# Altium PCB 2019.07.17.master.PcbDoc (part 1 of 6) (continued)
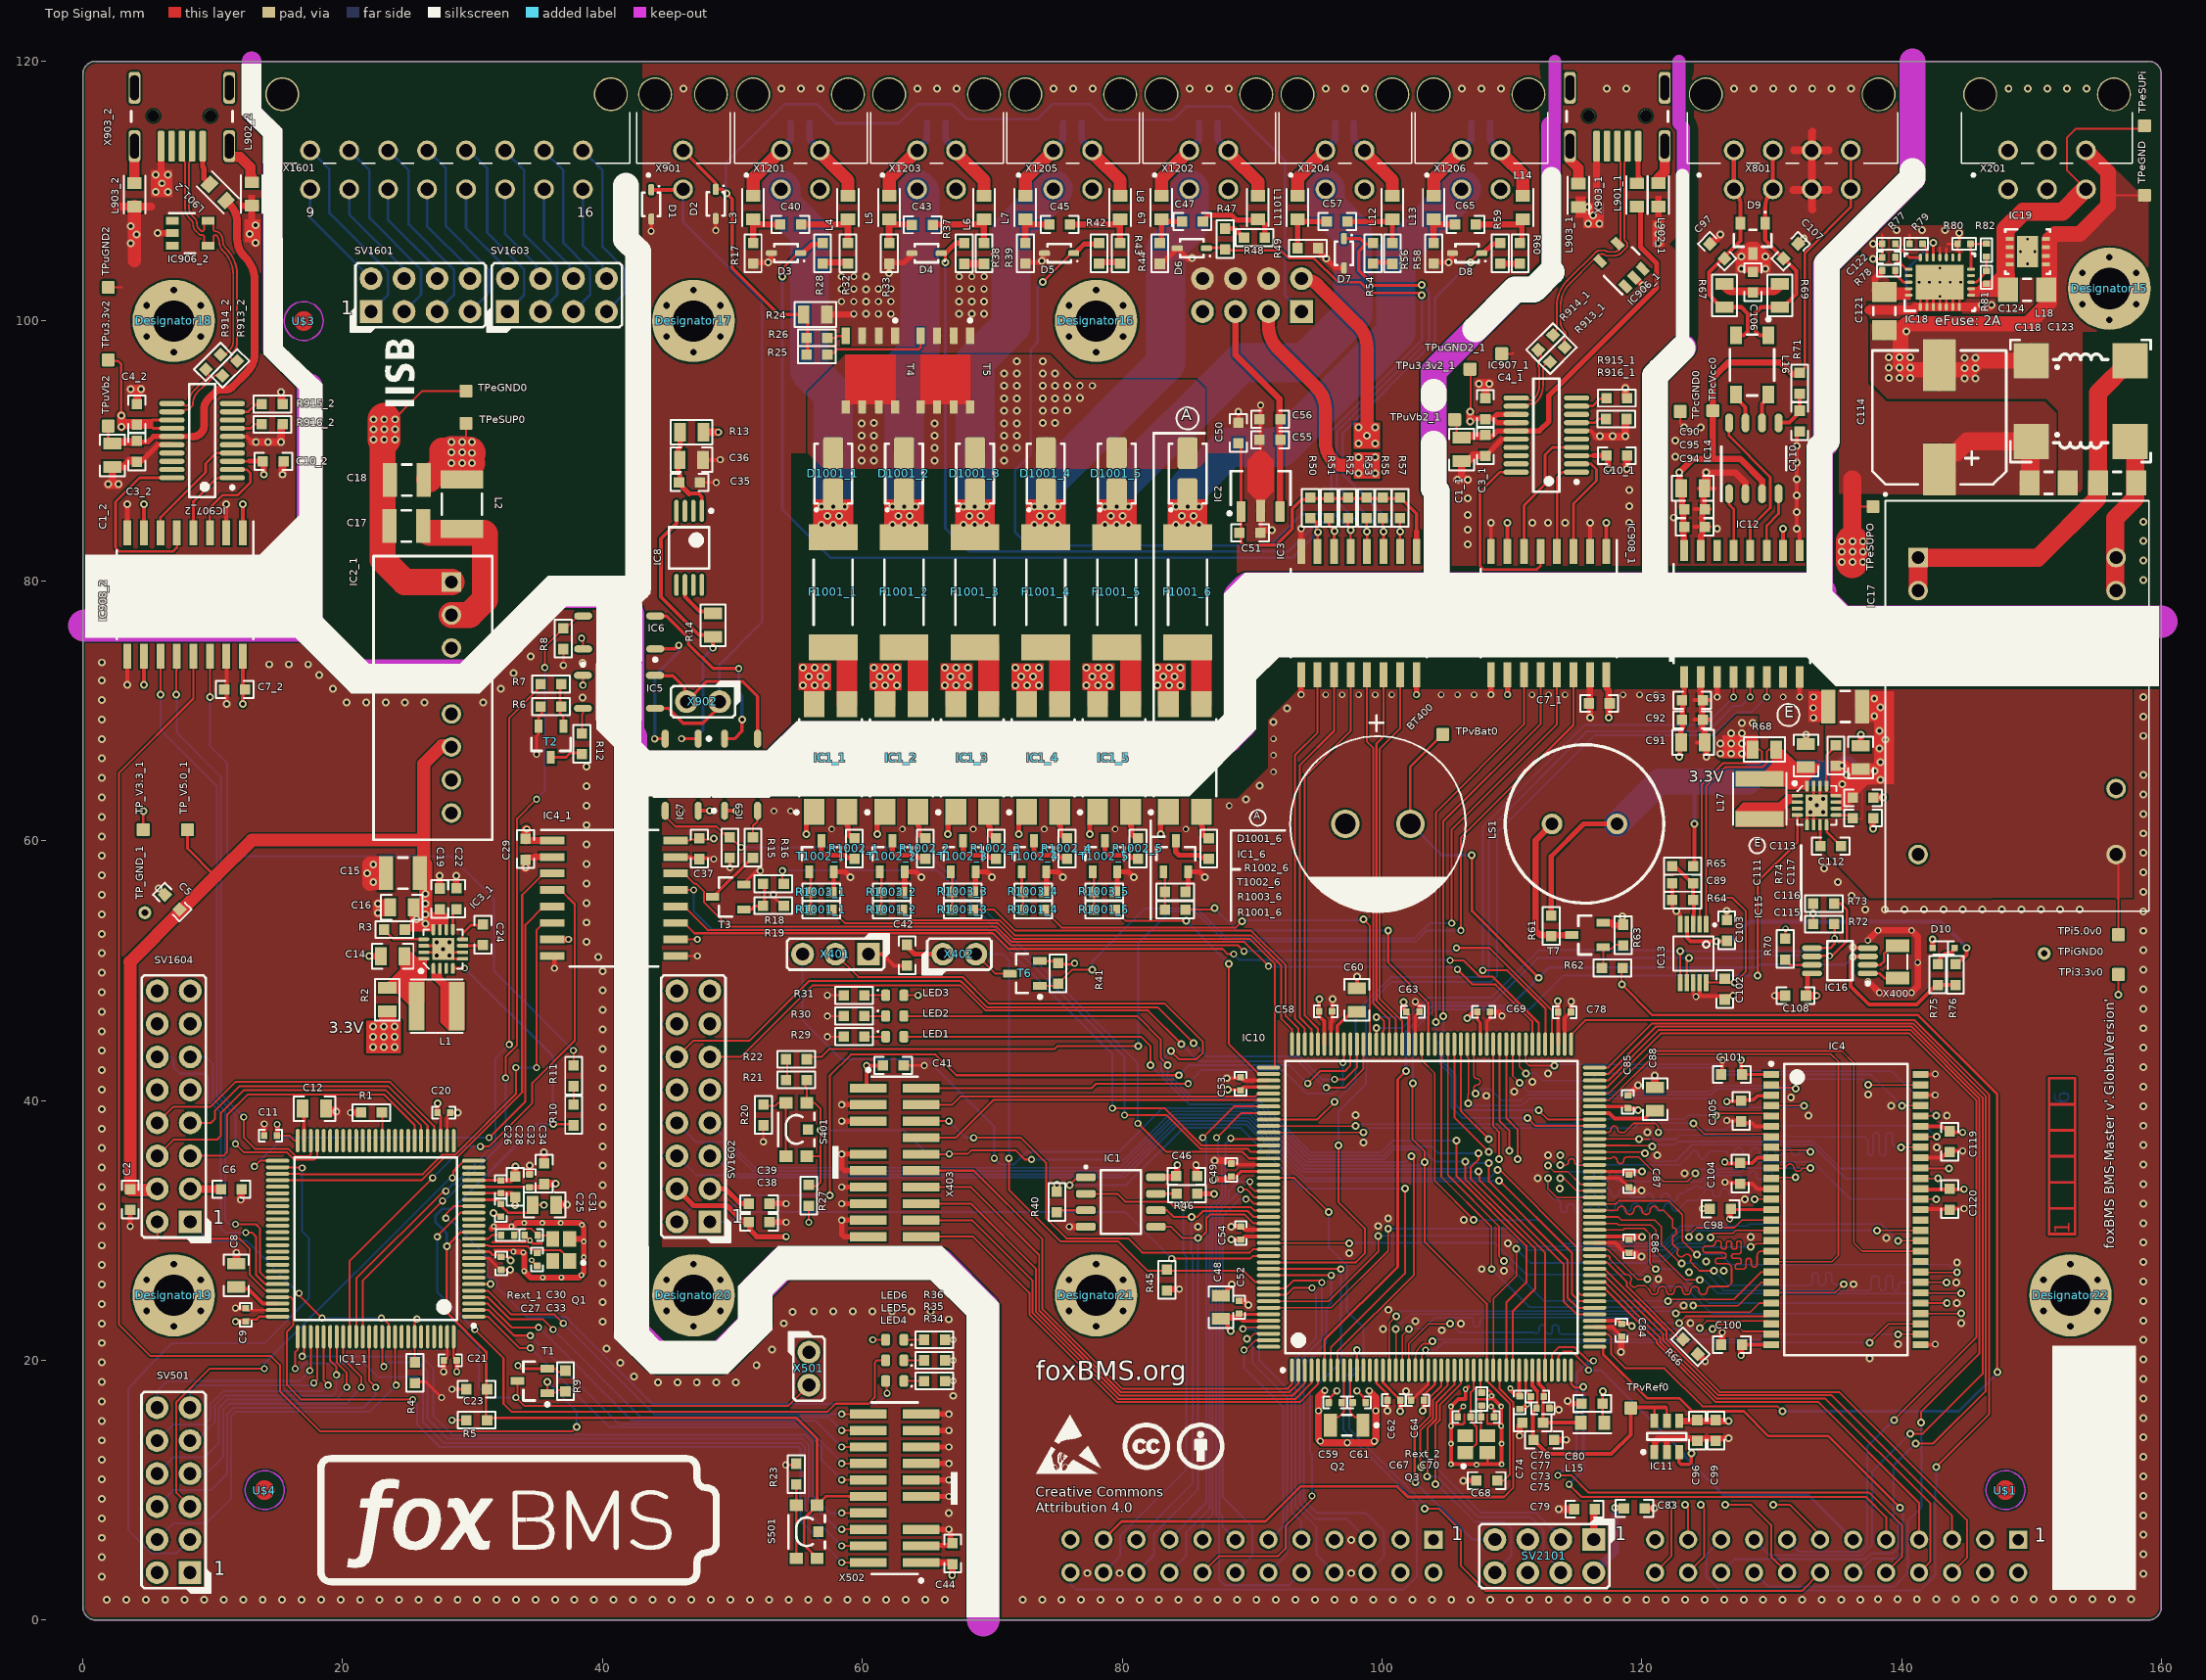
[diagram p0: Top Signal view]
## Classes and differential pairs
differential pair class USB_DP: D_1 D_2 U_1 U_2
channel class contactor_single: CON0 CON1 CON2 CON3 CON4 CON5
component class CON5: D11 D1001_6 F1001_6 IC1_6 R1001_6 R1002_6 R1003_6 T1002_6
component class CON4: D1001_5 F1001_5 IC1_5 R1001_5 R1002_5 R1003_5 T1002_5
component class CON3: D1001_4 F1001_4 IC1_4 R1001_4 R1002_4 R1003_4 T1002_4
component class CON2: D1001_3 F1001_3 IC1_3 R1001_3 R1002_3 R1003_3 T1002_3
component class CON1: D1001_2 F1001_2 IC1_2 R1001_2 R1002_2 R1003_2 T1002_2
component class CON0: D1001_1 F1001_1 IC1_1 R1001_1 R1002_1 R1003_1 T1002_1
channel class isolated_usb_single: USB0 USB1
component class USB1: C1_2 C3_2 C4_2 C7_2 C10_2 IC906_2 IC907_2 IC908_2 L901_2 L902_2 L903_2 R913_2 R914_2 R915_2 R916_2 TPu3.3v2 TPuGND2 TPuVb2 X903_2
component class USB0: C1_1 C3_1 C4_1 C7_1 C10_1 IC906_1 IC907_1 IC908_1 L901_1 L902_1 L903_1 R913_1 R914_1 R915_1 R916_1 TPu3.3v2_1 TPuGND2_1 TPuVb2_1 X903_1
net class FMC.UDQ: FMC_MCU_0_RAM_D0 FMC_MCU_0_RAM_D1 FMC_MCU_0_RAM_D2 FMC_MCU_0_RAM_D3 FMC_MCU_0_RAM_D4 FMC_MCU_0_RAM_D5 FMC_MCU_0_RAM_D6 FMC_MCU_0_RAM_D7 FMC_MCU_0_RAM_D8 FMC_MCU_0_RAM_D9 FMC_MCU_0_RAM_D10 FMC_MCU_0_RAM_D11 FMC_MCU_0_RAM_D12 FMC_MCU_0_RAM_D13 FMC_MCU_0_RAM_D14 FMC_MCU_0_RAM_D15
net class FMC.SDRAM: FMC_MCU_0_RAM_A0 FMC_MCU_0_RAM_A1 FMC_MCU_0_RAM_A2 FMC_MCU_0_RAM_A3 FMC_MCU_0_RAM_A4 FMC_MCU_0_RAM_A5 FMC_MCU_0_RAM_A6 FMC_MCU_0_RAM_A7 FMC_MCU_0_RAM_A8 FMC_MCU_0_RAM_A9 FMC_MCU_0_RAM_A10 FMC_MCU_0_RAM_A11 FMC_MCU_0_RAM_BA0 FMC_MCU_0_RAM_BA1 FMC_MCU_0_RAM_D0 FMC_MCU_0_RAM_D1 FMC_MCU_0_RAM_D2 FMC_MCU_0_RAM_D3 FMC_MCU_0_RAM_D4 FMC_MCU_0_RAM_D5 FMC_MCU_0_RAM_D6 FMC_MCU_0_RAM_D7 FMC_MCU_0_RAM_D8 FMC_MCU_0_RAM_D9 FMC_MCU_0_RAM_D10 FMC_MCU_0_RAM_D11 FMC_MCU_0_RAM_D12 FMC_MCU_0_RAM_D13 FMC_MCU_0_RAM_D14 FMC_MCU_0_RAM_D15 FMC_MCU_0_RAM_NBL0 FMC_MCU_0_RAM_NBL1 FMC_MCU_0_RAM_SDCKE1 FMC_MCU_0_RAM_SDCLK FMC_MCU_0_RAM_SDNCAS FMC_MCU_0_RAM_SDNE1 FMC_MCU_0_RAM_SDNRAS FMC_MCU_0_RAM_SDNWE
net class FMC.LDQ: FMC_MCU_0_RAM_D0 FMC_MCU_0_RAM_D1 FMC_MCU_0_RAM_D2 FMC_MCU_0_RAM_D3 FMC_MCU_0_RAM_D4 FMC_MCU_0_RAM_D5 FMC_MCU_0_RAM_D6 FMC_MCU_0_RAM_D7 FMC_MCU_0_RAM_D8 FMC_MCU_0_RAM_D9 FMC_MCU_0_RAM_D10 FMC_MCU_0_RAM_D11 FMC_MCU_0_RAM_D12 FMC_MCU_0_RAM_D13 FMC_MCU_0_RAM_D14 FMC_MCU_0_RAM_D15
net class FMC.DQM: FMC_MCU_0_RAM_D0 FMC_MCU_0_RAM_D1 FMC_MCU_0_RAM_D2 FMC_MCU_0_RAM_D3 FMC_MCU_0_RAM_D4 FMC_MCU_0_RAM_D5 FMC_MCU_0_RAM_D6 FMC_MCU_0_RAM_D7 FMC_MCU_0_RAM_D8 FMC_MCU_0_RAM_D9 FMC_MCU_0_RAM_D10 FMC_MCU_0_RAM_D11 FMC_MCU_0_RAM_D12 FMC_MCU_0_RAM_D13 FMC_MCU_0_RAM_D14 FMC_MCU_0_RAM_D15
net class FMC.CNTRL: FMC_MCU_0_RAM_NBL0 FMC_MCU_0_RAM_NBL1 FMC_MCU_0_RAM_SDCKE1 FMC_MCU_0_RAM_SDCLK FMC_MCU_0_RAM_SDNE1
net class FMC.CMD: FMC_MCU_0_RAM_SDNCAS FMC_MCU_0_RAM_SDNRAS FMC_MCU_0_RAM_SDNWE
net class FMC.ADR: FMC_MCU_0_RAM_A0 FMC_MCU_0_RAM_A1 FMC_MCU_0_RAM_A2 FMC_MCU_0_RAM_A3 FMC_MCU_0_RAM_A4 FMC_MCU_0_RAM_A5 FMC_MCU_0_RAM_A6 FMC_MCU_0_RAM_A7 FMC_MCU_0_RAM_A8 FMC_MCU_0_RAM_A9 FMC_MCU_0_RAM_A10 FMC_MCU_0_RAM_A11 FMC_MCU_0_RAM_BA0 FMC_MCU_0_RAM_BA1
net class ISO_MCU_USB: D_1_N D_1_P D_2_N D_2_P ISO_FTDI_DTR_1 ISO_FTDI_DTR_2 ISO_FTDI_RTS_1 ISO_FTDI_RTS_2 ISO_FTDI_RX_1 ISO_FTDI_RX_2 ISO_FTDI_TX_1 ISO_FTDI_TX_2 NetIC907_1_7 NetIC907_1_9 NetIC907_2_7 NetIC907_2_9 NetIC1401_1 NetIC1401_3 NetIC1402_5 NetIC1402_8 NetIC1402_10 NetIC1402_17 NetIC1402_18 NetIC1402_19 NetL902_1_2 NetL902_2_2 NetL903_1_2 NetL903_2_2 NetX1401_4 NetX1401_6 NetX1401_7 NetX1401_8 NetX1401_9 U_1_N U_1_P U_2_N U_2_P USB_+3.3V_1 USB_+3.3V_2 USB_+VBUS_1 USB_+VBUS_2 USB_GND_1 USB_GND_2 USB_VBUS_1 USB_VBUS_2
net class ISO_MCU: +3.3V_0 +3.3V_0_IN +5.0V_0 +Vbat_0 +Vdda_0 +Vref_0 ADC_MCU_0_CH_0 ADC_MCU_0_CH_1 ADC_MCU_0_CH_2 ADC_MCU_0_CH_3 ADC_MCU_0_CH_4 BMS-INTERFACE_0_GPIO_0 BMS-INTERFACE_0_GPIO_1 BMS-INTERFACE_0_GPIO_2 BMS-INTERFACE_0_GPIO_3 BMS-INTERFACE_0_SPI_CS BMS-INTERFACE_0_SPI_MISO BMS-INTERFACE_0_SPI_MOSI BMS-INTERFACE_0_SPI_SCK BOOT_0_MCU_0 CAN_0_RX CAN_0_TRANS_STANDBY_CONTROL CAN_0_TX CAN_1_RX CAN_1_TRANS_STANDBY_CONTROL CAN_1_TX CAN_GND_INT CONTACTOR_0_CONTROL CONTACTOR_0_FEEDBACK CONTACTOR_1_CONTROL CONTACTOR_1_FEEDBACK CONTACTOR_2_CONTROL CONTACTOR_2_FEEDBACK CONTACTOR_3_CONTROL CONTACTOR_3_FEEDBACK CONTACTOR_4_CONTROL CONTACTOR_4_FEEDBACK CONTACTOR_5_CONTROL CONTACTOR_5_FEEDBACK CONTACTOR_6_CONTROL CONTACTOR_6_FEEDBACK CONTACTOR_7_CONTROL CONTACTOR_7_FEEDBACK CONTACTOR_8_CONTROL CONTACTOR_8_FEEDBACK DATA_STORAGE_SPI_EEPROM_CS DATA_STORAGE_SPI_Memory_NSS DATA_STORAGE_SPI_MISO DATA_STORAGE_SPI_MOSI DATA_STORAGE_SPI_SCK DEBUG_LED_0_MCU_0 DEBUG_LED_1_MCU_0 EN_3.3_0 FMC_MCU_0_RAM_A0 FMC_MCU_0_RAM_A1 FMC_MCU_0_RAM_A2 FMC_MCU_0_RAM_A3 FMC_MCU_0_RAM_A4 FMC_MCU_0_RAM_A5 FMC_MCU_0_RAM_A6 FMC_MCU_0_RAM_A7 FMC_MCU_0_RAM_A8 FMC_MCU_0_RAM_A9 FMC_MCU_0_RAM_A10 FMC_MCU_0_RAM_A11 FMC_MCU_0_RAM_BA0 FMC_MCU_0_RAM_BA1 FMC_MCU_0_RAM_D0 FMC_MCU_0_RAM_D1 FMC_MCU_0_RAM_D2 FMC_MCU_0_RAM_D3 FMC_MCU_0_RAM_D4 FMC_MCU_0_RAM_D5 FMC_MCU_0_RAM_D6 FMC_MCU_0_RAM_D7 FMC_MCU_0_RAM_D8 FMC_MCU_0_RAM_D9 FMC_MCU_0_RAM_D10 FMC_MCU_0_RAM_D11 FMC_MCU_0_RAM_D12 FMC_MCU_0_RAM_D13 FMC_MCU_0_RAM_D14 FMC_MCU_0_RAM_D15 FMC_MCU_0_RAM_NBL0 FMC_MCU_0_RAM_NBL1 FMC_MCU_0_RAM_SDCKE1 FMC_MCU_0_RAM_SDCLK FMC_MCU_0_RAM_SDNCAS FMC_MCU_0_RAM_SDNE1 FMC_MCU_0_RAM_SDNRAS FMC_MCU_0_RAM_SDNWE FQ_3.3_0 FTDI_MCU_0_DTR FTDI_MCU_0_RTS FTDI_MCU_0_RX FTDI_MCU_0_TX GPIO.RTC_INT# HSE_1_MCU_0 HSE_2_MCU_0 I2C3.SCL I2C3.SDA INTERLOCK_CONTROL_MCU_0 INTERLOCK_FEEDBACK_MCU_0 ISO_GPIO_MCU_0_IN_0 ISO_GPIO_MCU_0_IN_1 ISO_GPIO_MCU_0_IN_2 ISO_GPIO_MCU_0_IN_3 ISO_GPIO_MCU_0_OUT_0 ISO_GPIO_MCU_0_OUT_1 ISO_GPIO_MCU_0_OUT_2 ISO_GPIO_MCU_0_OUT_3 ISONOC_0_CONTROL ISONOC_1_CONTROL ISONOC_2_CONTROL ISONOC_3_CONTROL ISONOC_4_CONTROL ISONOC_5_CONTROL LSE_1_MCU_0 LSE_2_MCU_0 MCU_0_NRESET MCU_0_RTC_ALARM_OUT MCU_0_RTC_WAKEUP_IN MCU_0_SWCLK MCU_0_SWDIO MCU_0_SWO MCU_0_TDI MCU_TO_FPGA_INTERFACE_MCU_0_CS MCU_TO_FPGA_INTERFACE_MCU_0_MISO MCU_TO_FPGA_INTERFACE_MCU_0_MOSI MCU_TO_FPGA_INTERFACE_MCU_0_SCK MCU_TO_MCU_INTERFACE_MCU_0_CS MCU_TO_MCU_INTERFACE_MCU_0_MISO MCU_TO_MCU_INTERFACE_MCU_0_MOSI MCU_TO_MCU_INTERFACE_MCU_0_SCK Memory_SUPPLY_CONTROL NetC60_1 NetC70_1 NetC88_1 NetC112_1 NetC112_2 NetC115_1 NetD10_2 NetIC1_1_2 NetIC1_2_2 NetIC1_3 NetIC1_3_2 NetIC1_4_2 NetIC1_5_2 NetIC1_6_2 NetIC1_7 NetIC9_2 NetIC10_58 NetIC15_1 NetIC16_1 NetIC16_2 NetIC802_4 NetIC802_6 NetLED1_1 NetLED2_1 NetLED3_1 NetLS1_2 NetR16_1 NetR18_1 NetR20_2 NetR21_2 NetR62_1 NetR1001_1_1 NetR1001_2_1 NetR1001_3_1 NetR1001_4_1 NetR1001_5_1 NetR1001_6_1 NetR1002_1_1 NetR1002_2_1 NetR1002_3_1 NetR1002_4_1 NetR1002_5_1 NetR1002_6_1 PIEZO_MCU_0_PWM RS485_MCU_0_DE RS485_MCU_0_NRE RS485_MCU_0_RX RS485_MCU_0_TX TRACECLK_MCU_0 TRACED0_MCU_0 TRACED1_MCU_0 TRACED2_MCU_0 TRACED3_MCU_0 VBU_MON VIN_MON
net class ISO_MCU_SEC: +3.3V_1 +3.3V_1_IN +5.0V_1 BMS-INTERFACE_1_GPIO_0 BMS-INTERFACE_1_GPIO_1 BMS-INTERFACE_1_GPIO_2 BMS-INTERFACE_1_GPIO_3 BMS-INTERFACE_1_SPI_CS BMS-INTERFACE_1_SPI_MISO BMS-INTERFACE_1_SPI_MOSI BMS-INTERFACE_1_SPI_SCK BOOT_0_MCU_1 CAN_0_MCU_1_RX CAN_0_MCU_1_TX DEBUG_LED_0_MCU_1 DEBUG_LED_1_MCU_1 EN_3.3_1 FQ_3.3_1 FTDI_MCU_1_DTR FTDI_MCU_1_RTS FTDI_MCU_1_RX FTDI_MCU_1_TX GND_1 GPIO_MCU_1_0 GPIO_MCU_1_1 GPIO_MCU_1_2 GPIO_MCU_1_3 GPIO_MCU_1_4 GPIO_MCU_1_5 HSE_1_MCU_1 HSE_2_MCU_1 INTERLOCK_CONTROL_MCU_1 INTERLOCK_FEEDBACK_MCU_1 MCU_1_NRESET MCU_1_SWCLK MCU_1_SWDIO MCU_1_SWO MCU_1_TDI MCU_TO_MCU_INTERFACE_MCU_1_CS MCU_TO_MCU_INTERFACE_MCU_1_MISO MCU_TO_MCU_INTERFACE_MCU_1_MOSI MCU_TO_MCU_INTERFACE_MCU_1_SCK NetC8_1 NetC12_1 NetC22_1 NetC24_1 NetC24_2 NetC30_1 NetIC1_1_37 NetIC3_1_1 NetIC5_2 NetLED4_1 NetLED5_1 NetLED6_1 NetR6_1 NetR10_2 NetR12_1 NetR23_2 TRACECLK_MCU_1 TRACED0_MCU_1 TRACED1_MCU_1 TRACED2_MCU_1 TRACED3_MCU_1 USART_MCU_1_RX USART_MCU_1_TX
net class ISO_EXT: CAN_0_H CAN_0_H_INT CAN_0_ISO_RXD CAN_0_ISO_STB CAN_0_ISO_TXD CAN_0_L CAN_0_L_INT CAN_0_SPLIT CAN_0_VIO CAN_GND CAN_VCC CONTACTOR_0_COIL_POS CONTACTOR_0_FEEDBACK_EXT CONTACTOR_1_COIL_POS CONTACTOR_1_FEEDBACK_EXT CONTACTOR_2_COIL_POS CONTACTOR_2_FEEDBACK_EXT CONTACTOR_3_COIL_POS CONTACTOR_3_FEEDBACK_EXT CONTACTOR_4_COIL_POS CONTACTOR_4_FEEDBACK_EXT CONTACTOR_5_COIL_POS CONTACTOR_5_FEEDBACK_EXT CONTACTOR_FEEDBACK_SUPPLY_EXT CONTACTORS_COMMON_NEG FB_EXT_0 FB_EXT_1 FB_EXT_2 FB_EXT_3 FB_EXT_4 FB_EXT_5 GND_EXT_0 GND_EXT_2 INTERLOCK_STATUS NetC17_2 NetC35_1 NetC40_1 NetC40_2 NetC43_1 NetC43_2 NetC45_1 NetC45_2 NetC47_1 NetC47_2 NetC57_1 NetC57_2 NetC65_1 NetC65_2 NetC122_1 NetC123_1 NetC123_2 NetC1201_1 NetC1201_2 NetC1203_1 NetC1203_2 NetC1205_1 NetC1205_2 NetC1207_1 NetC1207_2 NetC1209_1 NetC1209_2 NetC1211_1 NetC1211_2 NetD1_1 NetF1001_1_1 NetF1001_2_1 NetF1001_3_1 NetF1001_4_1 NetF1001_5_1 NetF1001_6_1 NetIC5_4 NetIC6_2 NetIC7_1 NetIC8_6 NetIC18_10 NetIC18_12 NetIC18_18 NetIC18_19 NetIC18_22 NetIC702_6 NetR25_2 NetR26_2 NetSV1601_1 NetSV1601_2 NetSV1601_3 NetSV1601_4 NetSV1601_5 NetSV1601_6 NetSV1601_7 NetSV1601_8 NetSV1603_1 NetSV1603_2 NetSV1603_3 NetSV1603_4 NetSV1603_5 NetSV1603_6 NetSV1603_7 NetSV1603_8 NetX801_2 RTN_EXT_0 SUPPLY_EXT_0 SUPPLY_EXT_0_IN SUPPLY_EXT_2 ZHS
net class CAN_0: CAN_0_H CAN_0_H_INT CAN_0_ISO_RXD CAN_0_ISO_STB CAN_0_ISO_TXD CAN_0_L CAN_0_L_INT CAN_0_SPLIT CAN_0_VIO CAN_GND CAN_VCC NetX801_2
component class U_0405_ext_bootload_activation: R41 R45 T6 X402
component class U_0404_debug_LED: LED1 LED2 R29 R30
component class U_0403_crystals: C59 C61 C67 C70 Q2 Q3 Rext_2
component class U_0400_power: BT400 C48 C49 C52 C53 C54 C58 C62 C63 C64 C69 C73 C74 C75 C76 C77 C78 C80 C84 C85 C86 C87 C89 C96 C99 C102 C103 C108 D10 D16 IC11 IC13 IC16 L15 R64 R65 R70 R75 R76 TPvBat0 TPvRef0 X400
component class U_18_connector_to_BMS_extension: JP2201 JP2202
component class U_17_FPGA_SPI_interface: C79 C83 SV2101
component class U_16_8MB_SDRAM: C98 C100 C101 C104 C105 C119 C120 IC4
component class U_15_bms-interface_interface: C2 C6 C38 C39 SV1601 SV1602 SV1603 SV1604 X1601
component class U_14_EEPROM: C46 IC1 R40 R46
component class U_12_contactor_connectors: C40 C43 C45 C47 C57 C65 C1201 C1203 C1205 C1207 C1209 C1211 L3 L4 L5 L6 L7 L8 L9 L10 L11 L12 L13 L14 R17 R32 R33 R38 R39 R43 R44 R48 R49 R56 R58 R60 X1201 X1202 X1203 X1204 X1205 X1206
component class U_11_contactor_feedback: C42 C50 C51 C55 C56 D3 D4 D5 D6 D7 D8 D12 D13 D14 IC2 IC3 R28 R37 R42 R47 R50 R51 R52 R53 R54 R55 R57 R59
component class U_09_interlock_circuit: C35 C36 D1 D2 IC5 IC6 IC7 IC8 IC9 R6 R7 R8 R12 R13 R14 R15 R16 R18 R19 R24 R25 R26 SV901 T2 T3 T4 T5 X901 X902
component class U_08_CAN0: C90 C91 C92 C93 C94 C95 C97 C106 C107 C110 D9 D15 IC12 IC14 L16 R67 R69 R71 TPcGND0 TPcVcc0 X801
component class U_06_mcu0_to_mcu1_isolated_SPI: C29 C37 IC4_1
component class U_05_mcu1_secondary: C8 C9 C11 C12 C20 C21 C23 C25 C26 C27 C28 C30 C31 C32 C33 C34 C44 IC1_1 LED4 LED5 Q1 R1 R4 R5 R9 R10 R11 R23 R34 R35 Rext_1 S501 SV501 T1 X501 X502
component class U_04_mcu0_primary: C41 C60 C68 C88 IC10 LS1 R20 R21 R22 R27 R61 R62 R63 R66 R72 R73 S401 T7 X401 X403
component class U_03_supply1: C5 C14 C15 C16 C17 C18 C19 C22 C24 IC2_1 IC3_1 L1 L2 LED6 R2 R3 R36 TP_GND_1 TP_V3.3_1 TP_V5.0_1 TPeGND TPeSUPO
component class U_02_supply0: C111 C112 C113 C114 C115 C116 C117 C118 C121 C122 C123 C124 IC15 IC17 IC18 IC19 L17 L18 LED3 R31 R68 R74 R77 R78 R79 R80 R81 R82 TPeGND0 TPeSUP0 TPeSUPi TPi3.3v0 TPi5.0v0 TPiGND0 X201
net class BMS-INTERFACE_1_GPIO_[0..3]: BMS-INTERFACE_1_GPIO_0 BMS-INTERFACE_1_GPIO_1 BMS-INTERFACE_1_GPIO_2 BMS-INTERFACE_1_GPIO_3
net class BMS-INTERFACE_0_GPIO_[0..3]: BMS-INTERFACE_0_GPIO_0 BMS-INTERFACE_0_GPIO_1 BMS-INTERFACE_0_GPIO_2 BMS-INTERFACE_0_GPIO_3
net class ADC_MCU_0_CH_[0..4]: ADC_MCU_0_CH_0 ADC_MCU_0_CH_1 ADC_MCU_0_CH_2 ADC_MCU_0_CH_3 ADC_MCU_0_CH_4
net class FMC_MCU_0_RAM_NBL[0..1]: FMC_MCU_0_RAM_NBL0 FMC_MCU_0_RAM_NBL1
net class FMC_MCU_0_RAM_D[0..15]: FMC_MCU_0_RAM_D0 FMC_MCU_0_RAM_D1 FMC_MCU_0_RAM_D2 FMC_MCU_0_RAM_D3 FMC_MCU_0_RAM_D4 FMC_MCU_0_RAM_D5 FMC_MCU_0_RAM_D6 FMC_MCU_0_RAM_D7 FMC_MCU_0_RAM_D8 FMC_MCU_0_RAM_D9 FMC_MCU_0_RAM_D10 FMC_MCU_0_RAM_D11 FMC_MCU_0_RAM_D12 FMC_MCU_0_RAM_D13 FMC_MCU_0_RAM_D14 FMC_MCU_0_RAM_D15
net class FMC_MCU_0_RAM_BA[0..1]: FMC_MCU_0_RAM_BA0 FMC_MCU_0_RAM_BA1
net class FMC_MCU_0_RAM_A[0..11]: FMC_MCU_0_RAM_A0 FMC_MCU_0_RAM_A1 FMC_MCU_0_RAM_A2 FMC_MCU_0_RAM_A3 FMC_MCU_0_RAM_A4 FMC_MCU_0_RAM_A5 FMC_MCU_0_RAM_A6 FMC_MCU_0_RAM_A7 FMC_MCU_0_RAM_A8 FMC_MCU_0_RAM_A9 FMC_MCU_0_RAM_A10 FMC_MCU_0_RAM_A11
polygon class PolygonThermal_OFF: GND_EXT_0_L02_P055 Polygon_1_Net_+3.3V_0 Polygon_1_Net_+3.3V_1 Polygon_1_Net_GND_0 Polygon_1_Net_GND_1 Polygon_1_Net_SUPPLY_EXT_0 Polygon_1_Net_SUPPLY_EXT_2 Polygon_2_Net_SUPPLY_EXT_2 Polygon_3_Net_GND_0
pad class SMDSolder_OFF: IC1101-2 T901-2 T901-4 T901-S
pad class SMDPaste_OFF: IC1101-2 T901-1 T901-2 T901-3 T901-4 T901-D T901-G T901-S
differential pair U_2: +U_2_P -U_2_N
differential pair U_1: +U_1_P -U_1_N
differential pair D_2: +D_2_P -D_2_N
differential pair D_1: +D_1_P -D_1_N

## Components (designator, comment, footprint, x,y, rotation, side; value= is the part's Value field where it differs from the comment)
BT400 "330m" KW-5R5C 99.69,61.29 r180 top
C1_1 "4.7µF 16V" 0805C 106.133,90.119 r270 top (schematic designator C1)
C1_2 "4.7µF 16V" 0805C 2.273,89.662 r270 top (schematic designator C1)
C2 "100nF 50V" 0603C 3.651,32.37 r270 top
C3_1 "100nF 50V" 0603C 107.959,90.424 r270 top (schematic designator C3)
C3_2 "100nF 50V" 0603C 4.166,89.967 r270 top (schematic designator C3)
C4_1 "100nF 50V" 0603C 107.959,93.247 r90 top (schematic designator C4)
C4_2 "100nF 50V" 0603C 4.166,92.812 r90 top (schematic designator C4)
C5 "100nF 50V" 0603C 6.883,55.27 r135 top
C6 "100nF 50V" 0603C 11.43,33.164 r0 top
C7_1 "100nF 50V" 0603C 116.738,70.561 r180 top locked (schematic designator C7)
C7_2 "100nF 50V" 0603C 11.684,71.628 r180 top (schematic designator C7)
C8 "2.2µF 25V" 0805C 11.811,26.533 r90 top
C9 "100nF 50V" 0402C 12.541,23.495 r90 top
C10_1 "100nF 50V" 0603C 118.087,89.637 r0 top (schematic designator C10)
C10_2 "100nF 50V" 0603C 14.656,89.205 r0 top (schematic designator C10)
C11 "100nF 50V" 0402C 14.446,37.291 r180 top
C12 "2.2µF 25V" 0805C 17.826,39.365 r0 top
C14 "10µF 10V" 0805C 23.851,51.105 r180 top
C15 "12105C106KAT2A" CAPC3225X279X50LL20T25 24.636,57.498 r0 top
C16 "10µF 10V" 0805C 24.562,54.864 r180 top
C17 "12105C106KAT2A" CAPC3225X279X50LL20T25 24.917,84.226 r0 top
C18 "12105C106KAT2A" CAPC3225X279X50LL20T25 24.943,87.757 r0 top
C19 "1.0µF 25V" 0603C 27.483,55.516 r90 top
C20 "100nF 50V" 0402C 27.787,39.063 r0 top
C21 "100nF 50V" 0402C 28.281,19.988 r180 top
C22 "10nF 50V" 0603C 28.771,55.527 r90 top
C23 "100nF 50V" 0603C 30.321,17.765 r180 top
C24 "10nF 50V" 0603C 30.806,52.756 r90 top
C25 "100nF 50V" 0402C 32.18,31.54 r270 top
C26 "100nF 50V" 0402C 32.18,33.345 r270 top
C27 "100nF 50V" 0402C 32.206,27.457 r270 top
C28 "1.0µF 25V" 0603C 33.284,33.352 r270 top
C29 "100nF 50V" 0603C 34.087,59.334 r270 top
C30 "18pF 50V" 0402C 34.515,29.628 r180 top
C31 "4.7µF 16V" 0805C 35.54,31.953 r0 top
C32 "100nF 50V" 0402C 34.392,33.805 r90 top
C33 "18pF 50V" 0402C 34.976,27.762 r90 top
C34 "1.0µF 25V" 0603C 35.52,34.353 r90 top
C35 "100nF 50V" 0603C 46.692,87.577 r0 top locked
C36 "2.2µF 25V" 0805C 46.85,89.323 r0 top locked
C37 "100nF 50V" 0603C 47.466,59.377 r90 top
C38 "100nF 50V" 0603C 52.07,30.624 r0 top locked
C39 "100nF 50V" 0603C 52.07,32.053 r0 top
C40 "100nF 50V" 0603C 54.483,107.442 r0 top
C41 "100nF 50V" 0603C 62.389,42.689 r0 top
C42 "100nF 50V" 0603C 63.449,51.181 r270 top
C43 "100nF 50V" 0603C 64.629,107.41 r0 top
C44 "100nF 50V" 0603C 66.954,5.105 r90 top
C45 "100nF 50V" 0603C 75.197,107.437 r0 top
C46 "100nF 50V" 0603C 84.971,34.167 r180 top
C47 "100nF 50V" 0603C 85.42,107.671 r0 top
C48 "4.7µF 16V" 0805C 87.605,24.079 r90 top
C49 "100nF 50V" 0402C 88.41,34.642 r90 top
C50 "100nF 50V" 0603C 88.951,91.389 r90 top
C51 "100nF 50V" 0603C 89.84,83.693 r0 top
C52 "100nF 50V" 0402C 89.002,24.079 r90 top
C53 "100nF 50V" 0402C 89.125,41.284 r90 top
C54 "100nF 50V" 0402C 89.138,29.791 r90 top
C55 "100nF 50V" 0603C 91.384,90.865 r180 top
C56 "1.0µF 25V" 0603C 91.384,92.44 r180 top
C57 "100nF 50V" 0603C 96.554,107.671 r0 top
C58 "100nF 50V" 0402C 95.665,46.865 r0 top
C59 "18pF 50V" 0402C 96.399,16.736 r0 top
C60 "2.2µF 25V" 0805C 98.072,47.734 r90 top
C61 "18pF 50V" 0402C 98.247,16.739 r0 top
C62 "100nF 50V" 0402C 100.925,16.924 r180 top
C63 "100nF 50V" 0402C 102.387,46.817 r0 top
C64 "100nF 50V" 0402C 102.743,16.916 r180 top
C65 "100nF 50V" 0603C 106.426,107.437 r0 top
C67 "18pF 50V" 0402C 106.33,15.634 r0 top
C68 "100nF 50V" 0603C 108.072,10.728 r180 top
C69 "100nF 50V" 0402C 107.829,46.817 r0 top
C70 "18pF 50V" 0402C 108.138,15.634 r0 top
C73 "1.0µF 25V" 0603C 111.608,15.189 r180 top
C74 "100nF 50V" 0402C 110.612,16.736 r270 top
C75 "1.0µF 25V" 0603C 112.471,13.868 r0 top
C76 "100nF 50V" 0402C 111.963,17.196 r180 top
C77 "100nF 50V" 0402C 112.395,16.307 r0 top
C78 "100nF 50V" 0402C 114.054,46.796 r0 top
C79 "100nF 50V" 0603C 115.595,8.534 r180 top
C80 "1.0µF 25V" 0603C 116.18,16.662 r180 top
C83 "100nF 50V" 0603C 119.429,8.597 r180 top
C84 "100nF 50V" 0402C 118.452,22.307 r270 top
C85 "100nF 50V" 0402C 118.941,39.893 r90 top
C86 "100nF 50V" 0402C 119.024,28.77 r270 top
C87 "100nF 50V" 0402C 119.024,33.796 r270 top
C88 "2.2µF 25V" 0805C 121.032,40.098 r90 top
C89 "10nF 50V" 0603C 123.15,56.722 r0 top
C90 "10µF 10V" 0805C 123.927,87.12 r0 top
C91 "10µF 10V" 0805C 123.952,67.564 r0 top
C92 "1.0µF 25V" 0603C 123.901,69.304 r180 top
C93 "100nF 50V" 0603C 123.901,70.815 r180 top
C94 "100nF 50V" 0603C 124.079,84.15 r180 top
C95 "1.0µF 25V" 0603C 124.079,85.51 r180 top
C96 "100nF 50V" 0603C 124.278,14.595 r270 top
C97 "68pF 100V" 0603C 125.806,105.375 r315 top
C98 "100nF 50V" 0603C 126.055,31.644 r180 top
C99 "1.0µF 25V" 0603C 125.707,14.595 r270 top
C100 "100nF 50V" 0603C 126.92,21.196 r180 top
C101 "100nF 50V" 0603C 126.92,41.996 r180 top
C102 "100nF 50V" 0603C 126.39,48.565 r270 top
C103 "10nF 50V" 0603C 126.549,53.086 r270 top
C104 "100nF 50V" 0603C 127.575,34.383 r270 top
C105 "100nF 50V" 0603C 127.66,39.184 r270 top
C106 "4700pF 50V" 0603C 128.549,102.997 r270 top
C107 "68pF 100V" 0603C 131.47,105.375 r45 top
C108 "100nF 50V" 0603C 131.846,48.061 r180 top
C110 "100nF 50V" 0603C 132.156,92.297 r90 top
C111 "10µF 10V" 0805C 132.639,66.548 r90 top
C112 "10nF 50V" 0603C 134.544,59.573 r0 top
C113 "12105C106KAT2A" CAPC3225X279X50LL20T25 135.676,70.333 r0 top
C114 "UCL1C102MNL1GS" NIC-UCL-10x13.5-2_V 142.91,92.589 r180 top
C115 "10nF 50V" 0603C 137.033,61.739 r0 top
C116 "1.0µF 25V" 0603C 137.033,63.297 r0 top
C117 "10µF 10V" 0805C 136.854,66.403 r90 top
C118 "GRM31CR72A105KA01L" CAPC3216X180X55ML20T25 151.321,87.539 r180 top
C119 "100nF 50V" 0603C 143.711,32.389 r270 top
C120 "100nF 50V" 0603C 143.711,36.822 r270 top
C121 "GRM31CR72A105KA01L" CAPC3216X180X55ML20T25 138.684,100.762 r90 top
C122 "10nF 50V" 0402C 139.014,104.902 r180 top
C123 "GRM31CR72A105KA01L" CAPC3216X180X55ML20T25 156.601,87.539 r0 top
C124 "GRM31CR72A105KA01L" CAPC3216X180X55ML20T25 149.657,102.396 r180 top
C1201 "100nF 50V" 0603C 55.22,115.265 r180 bottom
C1203 "100nF 50V" 0603C 86.665,115.265 r180 bottom
C1205 "100nF 50V" 0603C 65.761,115.265 r180 bottom
C1207 "100nF 50V" 0603C 97.18,115.265 r180 bottom
C1209 "100nF 50V" 0603C 76.149,115.265 r180 bottom
C1211 "100nF 50V" 0603C 107.645,115.265 r180 bottom
D1 "MM3Z12VT1G" SODFL250X110-2N 43.754,108.984 r270 top
D2 "MM3Z12VT1G" SODFL250X110-2N 48.717,109.017 r270 top
D3 "CDSOD323-T05" SODFL250X110-2N 54.127,105.232 r180 top
D4 "CDSOD323-T05" SODFL250X110-2N 64.948,105.218 r180 top
D5 "CDSOD323-T05" SODFL250X110-2N 75.15,105.218 r180 top
D6 "CDSOD323-T05" SODFL250X110-2N 85.369,105.613 r180 top
D7 "CDSOD323-T05" SODFL250X110-2N 97.079,105.218 r270 top
D8 "CDSOD323-T05" SODFL250X110-2N 106.559,105.218 r180 top
D9 "PESD1CAN" NXP-SOT23-3_V 128.549,106.375 r0 top
D10 "NF" NF_SOD-523 143.231,51.74 r0 top
D1001_1 "d_si_sma_1A" DIOM4326X24N 57.76,88.265 r90 top (schematic designator D1001)
D1001_2 "d_si_sma_1A" DIOM4326X24N 63.216,88.265 r90 top (schematic designator D1001)
D1001_3 "d_si_sma_1A" DIOM4326X24N 68.672,88.265 r90 top (schematic designator D1001)
D1001_4 "d_si_sma_1A" DIOM4326X24N 74.128,88.265 r90 top (schematic designator D1001)
D1001_5 "d_si_sma_1A" DIOM4326X24N 79.584,88.265 r90 top (schematic designator D1001)
D1001_6 "d_si_sma_1A" DIOM4326X24N 85.04,88.265 r90 top (schematic designator D1001)
Designator15 "Comment" HOLE_3.2_ISO 156,102.5 r0 top
Designator16 "Comment" HOLE_3.2_ISO 78,100 r0 top locked
Designator17 "Comment" HOLE_3.2_ISO 47,100 r0 top locked
Designator18 "Comment" HOLE_3.2_ISO 7,100 r0 top locked
Designator19 "Comment" HOLE_3.2_ISO 7,25 r0 top locked
Designator20 "Comment" HOLE_3.2_ISO 47,25 r0 top locked
Designator21 "Comment" HOLE_3.2_ISO 78,25 r0 top locked
Designator22 "Comment" HOLE_3.2_ISO 153,25 r0 top locked
F1001_1 "fuse_4A_3403.0172.11" Schurter_UMT_250 57.76,79.121 r90 top locked (schematic designator F1001)
F1001_2 "fuse_4A_3403.0172.11" Schurter_UMT_250 63.216,79.121 r90 top locked (schematic designator F1001)
F1001_3 "fuse_4A_3403.0172.11" Schurter_UMT_250 68.672,79.121 r90 top locked (schematic designator F1001)
F1001_4 "fuse_4A_3403.0172.11" Schurter_UMT_250 74.128,79.121 r90 top locked (schematic designator F1001)
F1001_5 "fuse_4A_3403.0172.11" Schurter_UMT_250 79.584,79.121 r90 top locked (schematic designator F1001)
F1001_6 "fuse_4A_3403.0172.11" Schurter_UMT_250 85.04,79.121 r90 top locked (schematic designator F1001)
IC1 "MB85RS2MTAPNF-G-BDERE1" SOIC127P600X175-8N 79.91,32.177 r0 top
IC1_1 "AQY212GHA" PNSC-DIP4(SMT)_V 57.556,66.37 r90 top locked (schematic designator IC1)
IC1_1 "STM32F429VIT6" STM-LQFP100_N 22.543,29.354 r180 top locked
IC1_2 "AQY212GHA" PNSC-DIP4(SMT)_V 63.013,66.37 r90 top locked (schematic designator IC1)
IC1_3 "AQY212GHA" PNSC-DIP4(SMT)_V 68.469,66.37 r90 top locked (schematic designator IC1)
IC1_4 "AQY212GHA" PNSC-DIP4(SMT)_V 73.925,66.37 r90 top locked (schematic designator IC1)
IC1_5 "AQY212GHA" PNSC-DIP4(SMT)_V 79.381,66.37 r90 top locked (schematic designator IC1)
IC1_6 "AQY212GHA" PNSC-DIP4(SMT)_V 84.837,66.37 r90 top locked (schematic designator IC1)
IC2 "UA78L05CPK" PK0003A_M 90.661,87.241 r90 top locked
IC2_1 "RS-xxxxS" RECOM_RS-S_D 22.375,81.91 r270 top
IC3 "ISO7760DWR" DW0016B_N 98.222,77.519 r270 top locked value=Value
IC3_1 "TPS62091" QFN-16-TI 27.735,51.656 r90 top
IC4 "IS42S16400J-7TLI" TSOP80P1180X120-54N 135.716,31.596 r0 top locked
IC4_1 "ISO7741DWR" DW0016B_N 40.878,55.567 r0 top locked value=Value
IC5 "CPC1008N" SOP254P610X218-4N 41.272,71.452 r0 top locked
IC6 "CPC1008N" SOP254P610X218-4N 41.286,76.028 r180 top locked
IC7 "CPC1008N" SOP254P610X218-4N 46.101,65.073 r270 top locked
IC8 "LM317LCPWR" PW8_N 46.672,82.535 r270 top locked
IC9 "CPC1008N" SOP254P610X218-4N 50.673,65.073 r90 top locked
IC10 "STM32F429IIT6" STM-LQFP176_N 103.822,31.784 r90 top locked
IC11 "ADR3425ARJZ-R2" ADI-RJ-6_N 121.929,14.132 r90 top
IC12 "ISOW7841DWER" DWE0016A 127.711,77.468 r90 top locked value=Value
IC13 "LTC2990" MSOP-10 123.962,51.311 r270 top locked
IC14 "TCAN1042HGVDRQ1" D0008A_N 128.626,89.433 r90 top value=Value
IC15 "TPS62091" QFN-16-TI 133.471,62.713 r0 top
IC16 "DS1339-U33" USOP-8 135.251,50.754 r180 top
IC17 "VAQE6W-Q24-S5-D" VAQE6W-Q24-S5-D 141.275,81.788 r270 top locked
IC18 "TPS26602RHFR" RHF0024A 142.95,102.992 r90 top value=Value
IC19 "TVS3301DRBR" DRB0008F 149.708,105.349 r0 top value=Value
IC906_1 "ESDS302DBVR" DBV0005A_N 118.44,104.318 r135 top value=Value (schematic designator IC906)
IC906_2 "ESDS302DBVR" DBV0005A_N 8.262,106.766 r0 top value=Value (schematic designator IC906)
IC907_1 "FT231XS-R" SSOP-20_L 112.658,91.224 r180 top (schematic designator IC907)
IC907_2 "FT231XS-R" SSOP-20_L 9.183,90.792 r180 top (schematic designator IC907)
IC908_1 "ISO7741DWR" DW0016B_N 112.841,77.519 r270 top locked value=Value (schematic designator IC908)
IC908_2 "ISO7741DWR" DW0016B_N 7.874,78.943 r270 top locked value=Value (schematic designator IC908)
JP2201 "SLW-112-01-T-D" SMTC-SLW-112-01-X-D 103.97,6.19 r180 bottom
JP2202 "SLW-112-01-T-D" SMTC-SLW-112-01-X-D 148.972,6.19 r180 bottom
L1 "1u" WE-LQS 27.235,47.256 r180 top
L2 "FIXED IND 3.9UH 1.32A 140MOHM SM" INDC4532 29.185,85.912 r270 top value=3.9uH
L3 "BLM21AG471SN1J" MURA-BLM21-H1-CHIP-2_V 51.595,108.737 r270 top
L4 "BLM21AG471SN1J" MURA-BLM21-H1-CHIP-2_V 58.895,108.737 r270 top
L5 "BLM21AG471SN1J" MURA-BLM21-H1-CHIP-2_V 62.072,108.737 r270 top
L6 "BLM21AG471SN1J" MURA-BLM21-H1-CHIP-2_V 69.373,108.737 r270 top
L7 "BLM21AG471SN1J" MURA-BLM21-H1-CHIP-2_V 72.55,108.737 r270 top
L8 "BLM21AG471SN1J" MURA-BLM21-H1-CHIP-2_V 79.85,108.737 r270 top
L9 "BLM21AG471SN1J" MURA-BLM21-H1-CHIP-2_V 83.027,108.737 r270 top
L10 "BLM21AG471SN1J" MURA-BLM21-H1-CHIP-2_V 90.449,108.737 r270 top
L11 "BLM21AG471SN1J" MURA-BLM21-H1-CHIP-2_V 93.505,108.737 r270 top
L12 "BLM21AG471SN1J" MURA-BLM21-H1-CHIP-2_V 100.805,108.737 r270 top
L13 "BLM21AG471SN1J" MURA-BLM21-H1-CHIP-2_V 103.982,108.737 r270 top
L14 "BLM21AG471SN1J" MURA-BLM21-H1-CHIP-2_V 110.836,108.737 r270 top
L15 "BLM21AG471SN1J" MURA-BLM21-H1-CHIP-2_V 116.205,15.189 r180 top
L16 "ACT45B-510-2P-TL003" TDK-ACT45B-510-2P-TL003-4_V 128.499,96.622 r270 top
L17 "1u" WE-LQS 129.071,63.213 r90 top
L18 "CMC 2.2MH 750MA 2LN 7.5 KOHM SMD" WE-SL5 153.781,93.84 r180 top value=Value
L901_1 "BLM21AG471SN1J" MURA-BLM21-H1-CHIP-2_V 119.634,109.703 r270 top (schematic designator L901)
L901_2 "BLM21AG471SN1J" MURA-BLM21-H1-CHIP-2_V 10.392,109.906 r315 top (schematic designator L901)
L902_1 "BLM21AG471SN1J" MURA-BLM21-H1-CHIP-2_V 121.274,109.712 r90 top (schematic designator L902)
L902_2 "BLM21AG471SN1J" MURA-BLM21-H1-CHIP-2_V 13.005,109.779 r90 top (schematic designator L902)
L903_1 "BLM21AG471SN1J" MURA-BLM21-H1-CHIP-2_V 115.12,109.68 r90 top (schematic designator L903)
L903_2 "BLM21AG471SN1J" MURA-BLM21-H1-CHIP-2_V 3.975,109.728 r90 top (schematic designator L903)
LED1 "green" LEDC1608X07N 62.5,44.911 r0 top locked
LED2 "red" LEDC1608X07N 62.5,46.499 r0 top locked
LED3 "orange" LEDC1608X07N 62.5,48.086 r0 top locked
LED4 "green" LEDC1608X07N 62.5,18.4 r180 top locked
LED5 "red" LEDC1608X07N 62.5,19.988 r180 top locked
LED6 "orange" LEDC1608X07N 62.5,21.575 r180 top locked
LS1 "PS1240P02CT3" PS12 115.596,61.29 r180 top
Q1 "CX2520DB32000D0GEJZ1" AVX-CX2520DB32000D0GEJZ1-4_V 36.823,28.494 r180 top
Q2 "32.768kHz" ESPO-FC-135-2_V 97.288,14.994 r180 top
Q3 "CX2520DB32000D0GEJZ1" AVX-CX2520DB32000D0GEJZ1-4_V 107.274,13.543 r90 top
R1 "10k" 0603R 22.223,39.065 r0 top
R2 "0.01R" 0805R 23.435,47.756 r90 top
R3 "10k" 0603R 23.99,53.156 r0 top
R4 "10k" 0603R 25.559,19.035 r90 top locked
R5 "10k" 0603R 30.321,15.384 r180 top locked
R6 "10k" 0603R 36.036,70.311 r180 top locked
R7 "10R" 0603R 36.036,72.058 r180 top locked
R8 "10k" 0603R 36.989,75.55 r90 top locked
R9 "10k" 0603R 37.148,18.4 r90 top locked
R10 "680R" 0603R 37.782,38.879 r90 top locked
R11 "0R" 0603R 37.782,41.895 r90 top locked
R12 "430R" 0603R 38.417,67.454 r90 top locked
R13 "10R" 0805R 46.863,91.44 r0 top
R14 "120R" 0805R 48.509,76.581 r90 top
R15 "10k" 0603R 49.809,59.461 r90 top
R16 "430R" 0603R 51.587,59.461 r90 top
R17 "47R" 0603R 51.595,105.218 r270 top
R18 "10R" 0603R 53.159,56.678 r0 top
R19 "10k" 0603R 53.162,54.991 r0 top
R20 "0R" 0603R 52.387,38.879 r90 top locked
R21 "680R" 0603R 54.927,41.578 r180 top locked
R22 "0R" 0603R 54.927,43.165 r0 top locked
R23 "0R" 0603R 54.927,11.24 r270 top locked
R24 "330R" 0805R 56.387,100.508 r180 top
R25 "10R" 0603R 56.515,97.409 r0 top
R26 "10R" 0603R 56.515,98.704 r0 top
R27 "10k" 0603R 55.88,32.688 r270 top locked
R28 "47R" 0603R 56.941,105.218 r90 top
R29 "130R" 0603R 59.372,44.911 r0 top locked
R30 "130R" 0603R 59.372,46.499 r0 top locked
R31 "130R" 0603R 59.372,48.086 r0 top locked
R32 "47R" 0603R 58.895,105.218 r90 top
R33 "47R" 0603R 62.072,105.207 r270 top
R34 "130R" 0603R 65.564,18.4 r180 top locked
R35 "130R" 0603R 65.564,19.988 r180 top locked
R36 "130R" 0603R 65.564,21.575 r0 top locked
R37 "47R" 0603R 67.843,105.207 r90 top
R38 "47R" 0603R 69.373,105.207 r90 top
R39 "47R" 0603R 72.55,105.218 r270 top
R40 "10k" 0603R 74.981,32.182 r90 top
R41 "10k" 0603R 75.072,49.776 r90 top
R42 "47R" 0603R 78.232,105.218 r90 top
R43 "47R" 0603R 79.85,105.218 r270 top
R44 "47R" 0603R 82.906,105.207 r270 top
R45 "10k" 0603R 83.452,26.172 r90 top
R46 "10k" 0603R 84.99,32.812 r0 top
R47 "47R" 0603R 87.939,106.315 r90 top
R48 "47R" 0603R 90.184,106.418 r0 top
R49 "47R" 0603R 94.298,105.613 r0 top
R50 "10k" 0603R 94.493,85.622 r90 top
R51 "10k" 0603R 95.936,85.622 r90 top
R52 "10k" 0603R 97.378,85.622 r90 top
R53 "10k" 0603R 98.821,85.622 r90 top
R54 "47R" 0603R 99.314,105.218 r270 top
R55 "10k" 0603R 100.076,85.622 r90 top
R56 "47R" 0603R 100.805,105.207 r270 top
R57 "10k" 0603R 101.397,85.622 r90 top
R58 "47R" 0603R 103.982,105.218 r270 top
R59 "47R" 0603R 109.114,105.218 r270 top
R60 "47R" 0603R 110.633,105.218 r270 top
R61 "1k" 0603R 113.031,53.43 r90 top
R62 "10R" 0603R 117.729,50.185 r0 top
R63 "10k" 0603R 118.567,52.73 r270 top
R64 "100k" 0603R 123.15,55.423 r0 top
R65 "100k" 0603R 123.15,58.042 r0 top
R66 "10k" 0603R 123.748,21.034 r135 top
R67 "59" 0805R 126.365,101.969 r270 top
R68 "0.01R" 0805R 129.444,67.013 r0 top
R69 "59" 0805R 130.632,101.969 r90 top
R70 "100k" 0603R 131.041,51.647 r90 top
R71 "0R" 0603R 132.156,95.209 r270 top
R72 "4k7" 0603R 134.005,53.573 r180 top
R73 "4k7" 0603R 134.007,55.154 r180 top
R74 "10k" 0603R 134.946,66.554 r270 top
R75 "NF" 0603R 142.792,49.685 r270 top
R76 "10M" 0603R 144.145,49.682 r270 top
R77 "10.7k" 0402R 139.014,105.943 r0 top
R78 "100k" 0402R 139.014,103.886 r180 top
R79 "26.1k" 0402R 141.12,105.943 r0 top
R80 "0R" 0402R 144.805,105.943 r0 top
R81 "374k" 0402R 146.533,103.366 r270 top
R82 "49k9" 0402R 146.533,105.461 r270 top
R913_1 "27R" 0603R 113.513,97.409 r45 top (schematic designator R913)
R913_2 "27R" 0603R 11.325,96.355 r45 top (schematic designator R913)
R914_1 "27R" 0603R 112.598,98.349 r45 top (schematic designator R914)
R914_2 "27R" 0603R 10.033,96.85 r45 top (schematic designator R914)
R915_1 "0R" 0603R 118.087,94.069 r0 top (schematic designator R915)
R915_2 "0R" 0603R 14.58,93.599 r0 top (schematic designator R915)
R916_1 "0R" 0603R 118.044,92.461 r0 top (schematic designator R916)
R916_2 "0R" 0603R 14.58,92.05 r0 top (schematic designator R916)
R1001_1 "10R" 0603R 56.831,54.686 r0 top (schematic designator R1001)
R1001_2 "10R" 0603R 62.265,54.686 r0 top (schematic designator R1001)
R1001_3 "10R" 0603R 67.721,54.686 r0 top (schematic designator R1001)
R1001_4 "10R" 0603R 73.177,54.686 r0 top (schematic designator R1001)
R1001_5 "10R" 0603R 78.633,54.686 r0 top (schematic designator R1001)
R1001_6 "10R" 0603R 84.089,54.686 r0 top (schematic designator R1001)
R1002_1 "430R" 0603R 59.393,59.385 r90 top (schematic designator R1002)
R1002_2 "430R" 0603R 64.849,59.385 r90 top (schematic designator R1002)
R1002_3 "430R" 0603R 70.305,59.385 r90 top (schematic designator R1002)
R1002_4 "430R" 0603R 75.761,59.385 r90 top (schematic designator R1002)
R1002_5 "430R" 0603R 81.217,59.385 r90 top (schematic designator R1002)
R1002_6 "430R" 0603R 86.673,59.385 r90 top (schematic designator R1002)
R1003_1 "10k" 0603R 56.831,56.032 r180 top (schematic designator R1003)
R1003_2 "10k" 0603R 62.265,56.032 r180 top (schematic designator R1003)
R1003_3 "10k" 0603R 67.721,56.058 r180 top (schematic designator R1003)
R1003_4 "10k" 0603R 73.177,56.058 r180 top (schematic designator R1003)
R1003_5 "10k" 0603R 78.633,56.058 r180 top (schematic designator R1003)
R1003_6 "10k" 0603R 84.089,56.058 r180 top (schematic designator R1003)
Rext_1 "0R" 0402R 32.701,29.628 r0 top
Rext_2 "0R" 0402R 107.681,17 r270 top
S401 "KMR221GLFS" KMR2_Series 54.927,37.768 r270 top locked
S501 "KMR221GLFS" KMR2_Series 55.721,6.795 r270 top locked
SV501 "TSW-106-07-G-D" PINHEADER_2.54_2X6 6.985,10 r90 top locked
SV901 "SLW-104-01-G-D" SLW_104_01_G_D 90,102 r180 bottom
SV1601 "TSW-104-07-G-D" PINHEADER_2.54_2X4 26,102 r0 top locked
SV1602 "TSW-108-07-G-D" PINHEADER_2.54_2X8 47,39.54 r90 top locked
SV1603 "TSW-104-07-G-D" PINHEADER_2.54_2X4 36.5,102 r0 top locked
SV1604 "TSW-108-07-G-D" PINHEADER_2.54_2X8 7,39.54 r90 top locked
SV2101 "TSW-104-07-G-D" PINHEADER_2.54_2X4 112.5,4.92 r180 top
T1 "BSS84P" INF-PG-SOT23_N 34.608,18.4 r180 top locked
T2 "IRLML0100TRPBF" SOT95P237X110-3N 36.036,67.613 r270 top
T3 "IRLML0100TRPBF" SOT95P237X110-3N 49.679,55.662 r180 top
T4 "SQJA60EP-T1_GE3" VISH-POWERPAKSO-8_V 60.63,96.187 r270 top
T5 "SQJA60EP-T1_GE3" VISH-POWERPAKSO-8_V 66.396,96.187 r270 top
T6 "BSS84P" INF-PG-SOT23_N 72.532,49.776 r180 top
T7 "IRLML0100TRPBF" SOT95P237X110-3N 115.824,52.73 r180 top
T1002_1 "IRLML0100TRPBF" SOT95P237X110-3N 56.853,58.801 r90 top (schematic designator T1002)
T1002_2 "IRLML0100TRPBF" SOT95P237X110-3N 62.309,58.801 r90 top (schematic designator T1002)
T1002_3 "IRLML0100TRPBF" SOT95P237X110-3N 67.765,58.801 r90 top (schematic designator T1002)
T1002_4 "IRLML0100TRPBF" SOT95P237X110-3N 73.221,58.801 r90 top (schematic designator T1002)
T1002_5 "IRLML0100TRPBF" SOT95P237X110-3N 78.677,58.801 r90 top (schematic designator T1002)
T1002_6 "IRLML0100TRPBF" SOT95P237X110-3N 84.133,58.801 r90 top (schematic designator T1002)
TP_GND_1 "Testpoint_Round" Testpoint_D1V 4.778,54.454 r270 top
TP_V3.3_1 "Testpoint_Square" Testpoint_S1 4.65,60.833 r90 top
TP_V5.0_1 "Testpoint_Square" Testpoint_S1 8.059,60.833 r90 top
TPcGND0 "Testpoint_Square" Testpoint_S1 122.966,93.042 r90 top
TPcVcc0 "Testpoint_Square" Testpoint_S1 125.476,93.097 r90 top
TPeGND "Testpoint_Square" Testpoint_S1 158.699,109.68 r180 top
TPeGND0 "Testpoint_Square" Testpoint_S1 29.5,94.611 r90 top
TPeSUP0 "Testpoint_Square" Testpoint_S1 29.5,92.126 r90 top
TPeSUPi "Testpoint_Square" Testpoint_S1 158.699,115.037 r90 top
TPeSUPO "Testpoint_Square" Testpoint_S1 137.802,85.718 r90 top
TPi3.3v0 "Testpoint_Square" Testpoint_S1 156.693,49.697 r90 top
TPi5.0v0 "Testpoint_Square" Testpoint_S1 156.693,52.759 r90 top
TPiGND0 "Testpoint_Round" Testpoint_D1V 150.978,51.311 r90 top
TPu3.3v2 "Testpoint_Square" Testpoint_S1 1.954,97.005 r90 top
TPu3.3v2_1 "Testpoint_Square" Testpoint_S1 106.783,96.29 r90 top (schematic designator TPu3.3v2)
TPuGND2 "Testpoint_Square" Testpoint_S1 1.954,102.589 r180 top
TPuGND2_1 "Testpoint_Square" Testpoint_S1 109.22,97.485 r90 top (schematic designator TPuGND2)
TPuVb2 "Testpoint_Square" Testpoint_S1 1.954,91.921 r180 top
TPuVb2_1 "Testpoint_Square" Testpoint_S1 105.598,92.408 r270 top (schematic designator TPuVb2)
TPvBat0 "Testpoint_Square" Testpoint_S1 104.678,68.18 r180 top
TPvRef0 "Testpoint_Square" Testpoint_S1 119.156,16.317 r90 top
U$1 "" FIDUCIAL_1MM 148,10 r0 top locked
U$3 "" FIDUCIAL_1MM 17,100 r0 top locked
U$4 "" FIDUCIAL_1MM 14,10 r0 top locked
X201 "43045-0621" 43045-0621 151.198,117.46 r0 top locked
X400 "ABS07-120 32.768k" ABS07 139.692,50.663 r270 top
X401 "samtec_TSW-103-07-G-S" PINHEADER_2.54_3 57.944,51.261 r180 top locked
X402 "samtec_TSW-102-07-G-S" PINHEADER_2.54_2 67.469,51.261 r0 top locked
X403 "FTSH-110-01-L-DV-007-K-P" CORTEX_DEBUG_20_PIN 62.5,35.228 r0 top locked
X501 "samtec_TSW-102-07-G-S" PINHEADER_2.54_2 55.894,19.35 r270 top